# KiCad board Lime_RFE.kicad_pcb (continued)
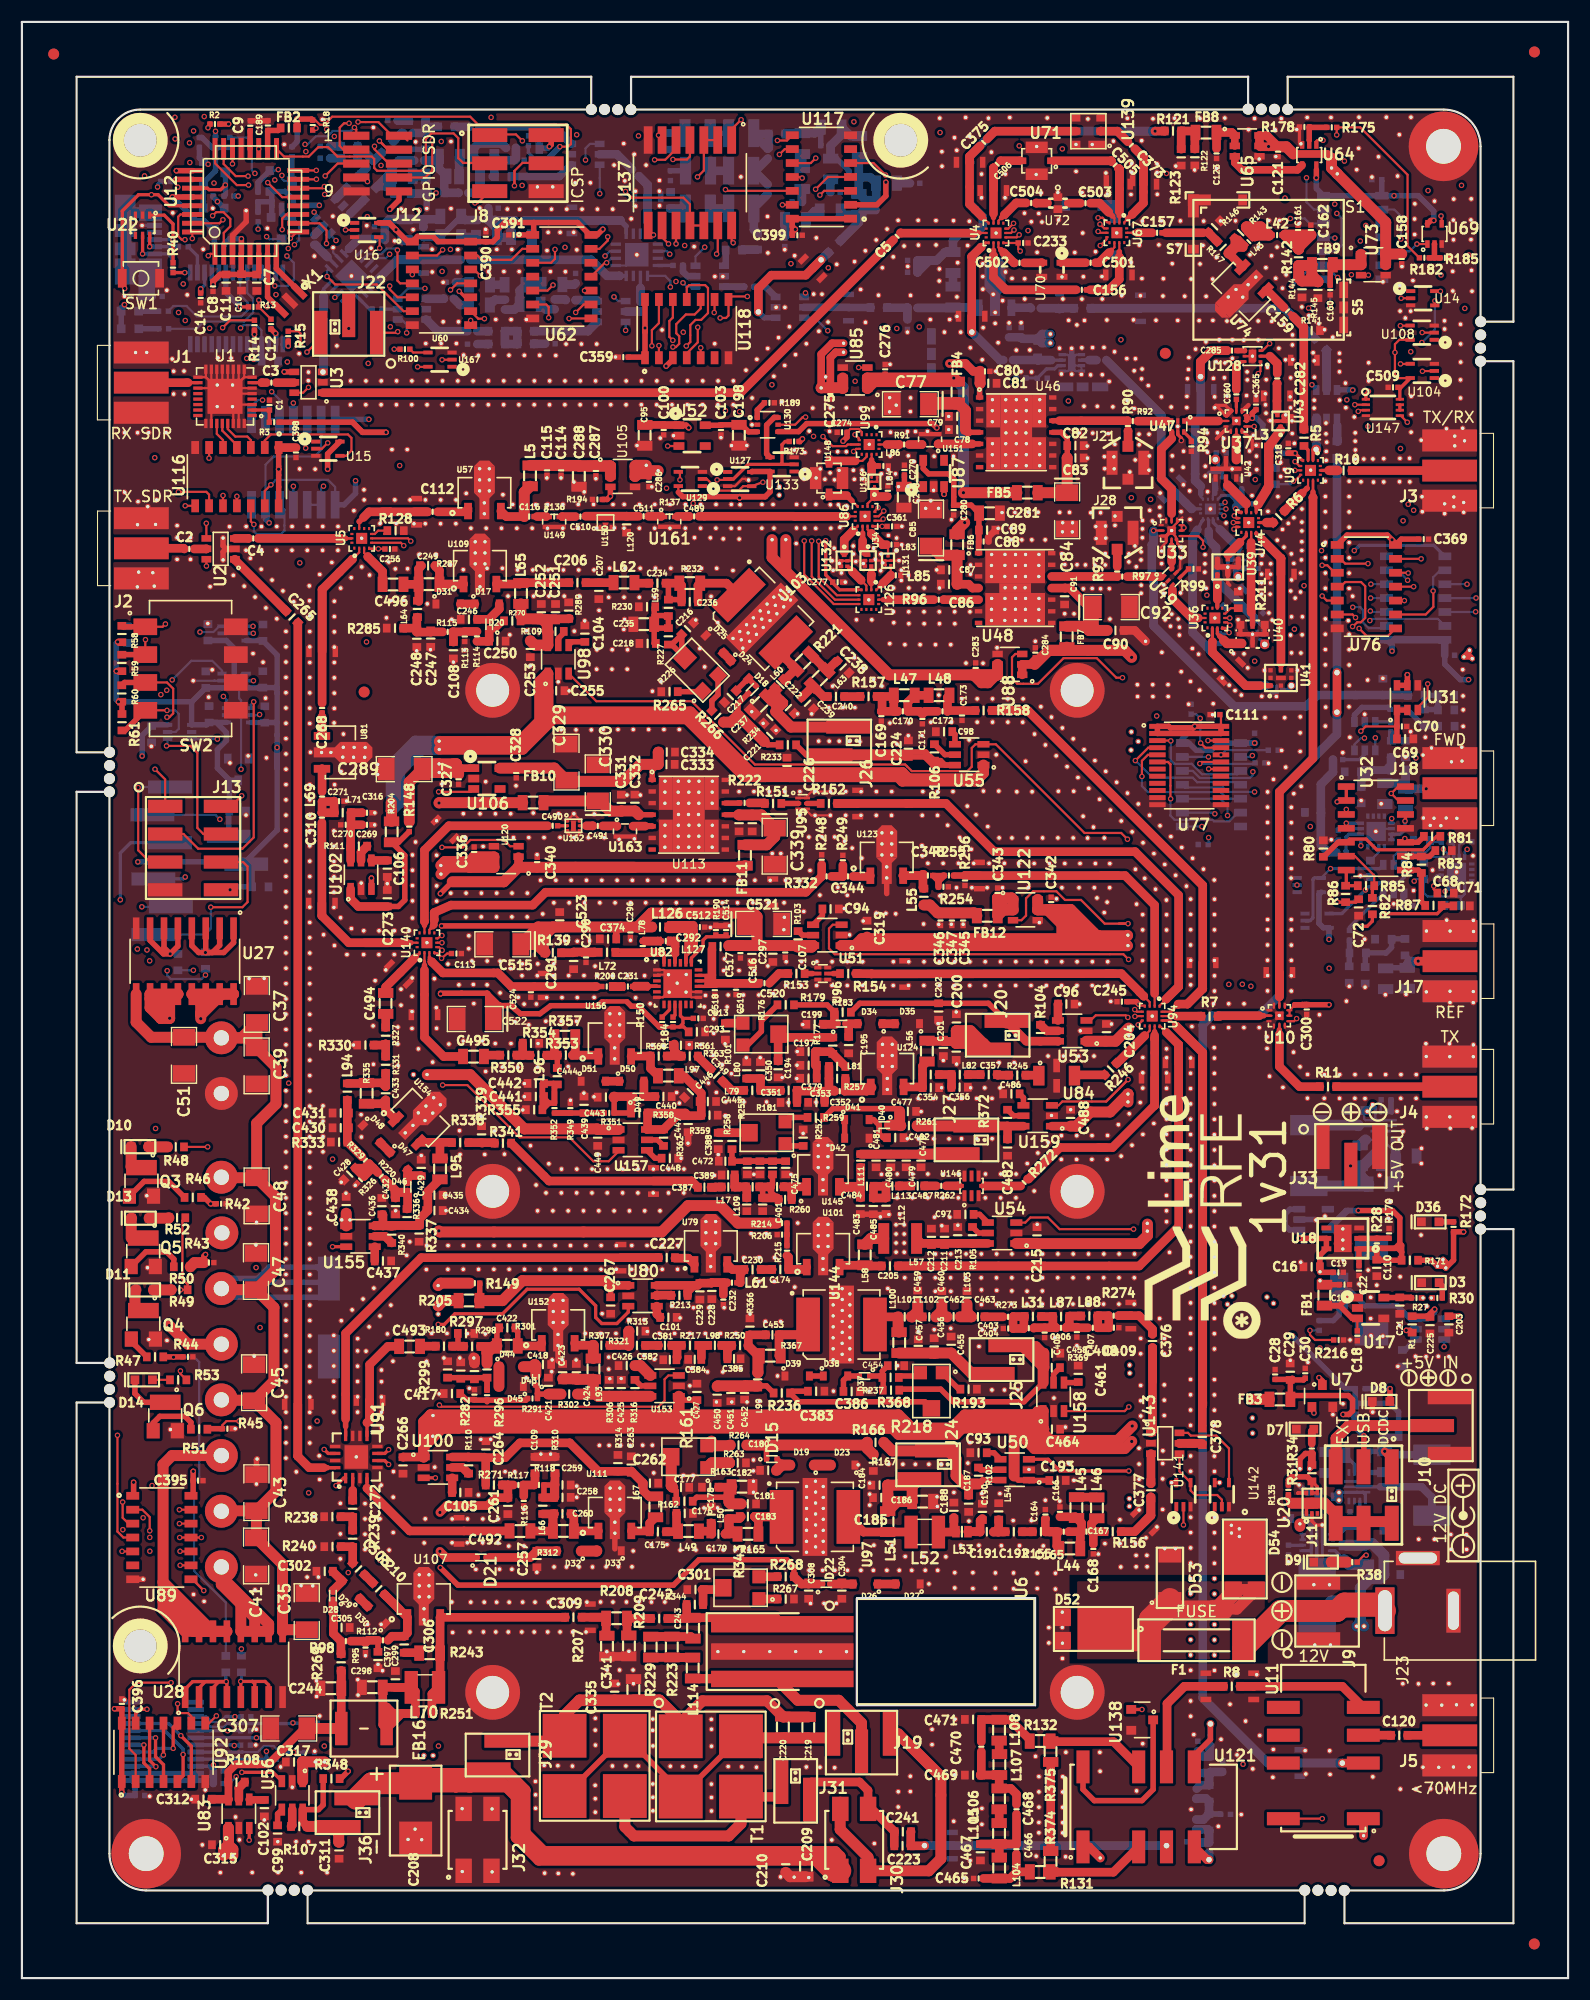
[diagram p0: board, top side]
## Footprints (pads in the part's own frame, mm; a bottom-side part is the same pattern mirrored in y, then rotated) (continued)
RFM04U6P_SOT89
  rect 0.8x1.6 smd: 1(-1.5,-1.74) 3(1.5,-1.74)
  trapezoid 1.41x0.495 smd: 2(0,2.546) 2(0,-0.375)
  rect 1.905x2.426 smd: 2(0,1.086)
  rect 0.914x5.334 smd: 2(0,0.127)
SC-88-6_NUP2202W1T2G
  rect 0.3x0.66 smd: 1(-0.65,-0.92) 2(0,-0.92) 3(0.65,-0.92) 4(0.65,0.92) 5(0,0.92) 6(-0.65,0.92)
SKY13370-374LF_6QFN
  rect 0.35x0.25 smd: 1(-0.725,0.5) 2(-0.725,0) 3(-0.725,-0.5) 4(0.725,-0.5) 5(0.725,0) 6(0.725,0.5)
  rect 0.212x0.212 smd rot 135: 5(-0.2,0.45)
  rect 0.2x0.05 smd: 5(0,0.625) 5(0,-0.625)
  rect 0.7x0.45 smd: 5(0,0.225)
  rect 0.7x0.6 smd: 5(0,-0.3)
  rect 0.55x0.15 smd: 5(0.075,0.525)
SKYA21003_12QFN
  rect 0.44x0.2 smd: 1(-0.96,0.5) 2(-0.96,0) 3(-0.96,-0.5) 7(0.96,-0.5) 8(0.96,0) 9(0.96,0.5)
  trapezoid 0.04x0.15 smd: 1(-0.72,0.5) 2(-0.72,0) 3(-0.72,-0.5) 7(0.72,-0.5) 8(0.72,0) 9(0.72,0.5)
  rect 0.7x0.7 smd: 1(0,0)
  rect 0.76x0.76 smd: 1(0,0)
  trapezoid 0.15x0.04 smd: 4(-0.5,-0.72) 5(0,-0.72) 6(0.5,-0.72) 10(0.5,0.72) 11(0,0.72) 12(-0.5,0.72)
  rect 0.2x0.44 smd: 4(-0.5,-0.96) 5(0,-0.96) 6(0.5,-0.96) 10(0.5,0.96) 11(0,0.96) 12(-0.5,0.96)
SMA_v2
  rect 5x2 smd: 1(0,0) 2(0,-2.75) 3(0,2.75)
  rect 5x2 smd far side: 4(0,-2.75) 5(0,2.75)
SMD0402
  rect 0.495x0.495 smd: 1(-0.45,0) 2(0.45,0)
SMD0603
  rect 0.7x0.8 smd: 1(-0.75,0) 2(0.75,0)
SMD0603_gap05
  rect 0.699x0.798 smd: 1(-0.6,0) 2(0.6,0)
SMD0604
  rect 0.699x1.05 smd: 1(-0.546,0) 2(0.546,0)
SMD0805
  rect 0.899x1.4 smd: 1(-0.953,0) 2(0.953,0)
SMD1008
  rect 1.22x2.99 smd: 1(-1.245,0) 2(1.245,0)
SMD1008_inductor
  rect 1.02x2.54 smd: 1(-1.145,0) 2(1.145,0)
SMD1206
  rect 1.524x2.032 smd: 1(-1.651,0) 2(1.651,0)
SMD1206_TANTAL
  rect 1.524x2.032 smd: 1(-1.651,0) 2(1.651,0)
SMD1210
  rect 1x2.8 smd: 1(-1.5,0) 2(1.5,0)
SMD_1812FS-104JLC
  rect 3.05x1.14 smd: 1(0,-2.07) 2(0,2.07)
SMD_AFT09MS007NT1
  rect 4.91x2.16 smd: 1(0,-3.05) 2(0,3.05)
  rect 7.11x2.26 smd: 3(0,0)
SMD_TC33X
  rect 1.2x1.2 smd: 1(-1,-1.8) 3(1,-1.8)
  rect 1.6x1.5 smd: 2(0,1.45)
SN74LV1T04
  rect 0.85x0.35 smd: 1(-1.1,0.65) 2(-1.1,0) 3(-1.1,-0.65) 4(1.1,-0.65) 5(1.1,0.65)
SN74LV1T34
  rect 0.85x0.35 smd: 1(-1.1,0.65) 2(-1.1,0) 3(-1.1,-0.65) 4(1.1,-0.65) 5(1.1,0.65)
SN74LVC2G02DCUR_VSSOP-8
  rect 0.75x0.25 smd: 1(-1.55,0.75) 2(-1.55,0.25) 3(-1.55,-0.25) 4(-1.55,-0.75) 5(1.55,-0.75) 6(1.55,-0.25) 7(1.55,0.25) 8(1.55,0.75)
SN74LVCH8T245PWR
  rect 1.5x0.45 smd: 1(-2.9,3.575) 2(-2.9,2.925) 3(-2.9,2.275) 4(-2.9,1.625) 5(-2.9,0.975) 6(-2.9,0.325) 7(-2.9,-0.325) 8(-2.9,-0.975) 9(-2.9,-1.625) 10(-2.9,-2.275) 11(-2.9,-2.925) 12(-2.9,-3.575) 13(2.9,-3.575) 14(2.9,-2.925) 15(2.9,-2.275) 16(2.9,-1.625) 17(2.9,-0.975) 18(2.9,-0.325) 19(2.9,0.325) 20(2.9,0.975) 21(2.9,1.625) 22(2.9,2.275) 23(2.9,2.925) 24(2.9,3.575)
SOT23_NCP163ASN250T1G
  rect 1.1x0.6 smd: 1(-1.3,0.95) 2(-1.3,0) 3(-1.3,-0.95) 4(1.3,-0.95) 5(1.3,0.95)
SOT23_TPS22810DBVR
  rect 1.1x0.6 smd: 1(-1.3,0.95) 2(-1.3,0) 3(-1.3,-0.95) 4(1.3,-0.95) 5(1.3,0) 6(1.3,0.95)
SOT89
  rect 0.711x1.499 smd: 1(-1.499,-1.791) 3(1.499,-1.791)
  trapezoid 1.41x0.495 smd: 2(0,-0.375) 2(0,2.546)
  rect 0.914x5.334 smd: 2(0,0.127)
  rect 1.905x2.426 smd: 4(0,1.086)
SOT89_ADL5611ARKZ-R7
  rect 0.711x1.499 smd: 1(-1.499,0.749) 3(1.499,0.749)
  trapezoid 1.41x0.495 smd: 2(0,5.086) 2(0,2.165)
  rect 0.914x5.334 smd: 2(0,2.667)
  rect 1.905x2.426 smd: 4(0,3.626)
SOT89_MAAM-009286
  rect 0.711x1.499 smd: 1(-1.499,-1.791) 3(1.499,-1.791)
  trapezoid 1.41x0.495 smd: 2(0,2.546) 2(0,-0.375)
  rect 0.914x5.334 smd: 2(0,0.127)
  rect 1.905x2.426 smd: 4(0,1.086)
SOT89_QPA6489A
  rect 0.711x1.499 smd: 1(-1.499,0.749) 3(1.499,0.749)
  trapezoid 1.41x0.495 smd: 2(0,5.086) 2(0,2.165)
  rect 1.905x2.426 smd: 2(0,3.626)
  rect 0.914x5.334 smd: 2(0,2.667)
SOT89_RFGA2054
  rect 0.711x1.499 smd: 1(-1.499,-1.791) 3(1.499,-1.791)
  trapezoid 1.41x0.495 smd: 2(0,2.546) 2(0,-0.375)
  rect 1.905x2.426 smd: 2(0,1.086)
  rect 0.914x5.334 smd: 2(0,0.127)
SPM6530T-2R2M
  rect 1.85x3.4 smd: 1(-2.775,0) 2(2.775,0)
TAJE107M025SNJV
  rect 3x3 smd: 1(-2.5,0) 2(2.5,0)
TC74HC04AF
  rect 2.5x0.8 smd: 1(-3.9,3.81) 2(-3.9,2.54) 3(-3.9,1.27) 4(-3.9,0) 5(-3.9,-1.27) 6(-3.9,-2.54) 7(-3.9,-3.81) 8(3.9,-3.81) 9(3.9,-2.54) 10(3.9,-1.27) 11(3.9,0) 12(3.9,1.27) 13(3.9,2.54) 14(3.9,3.81)
TPS62136RGXT
  rect 2.4x0.25 smd: 1(0,0.5) 2(0,0) 3(0,-0.5)
  rect 0.25x0.6 smd: 4(-0.75,-1.3) 5(-0.25,-1.3) 6(0.25,-1.3) 7(0.75,-1.3) 8(0.75,1.3) 9(0.25,1.3) 10(-0.25,1.3) 11(-0.75,1.3)
TQM963014
  rect 0.73x0.73 smd: 1(0.86,-1.11) 3(0.86,1.11) 5(-0.86,1.11) 7(-0.86,-1.11)
  rect 0.73x0.4 smd: 2(0.86,0) 6(-0.86,0)
  rect 0.4x0.73 smd: 4(0,1.11) 8(0,-1.11)
  rect 0.4x0.9 smd: 8(0,0)
TQP3M9037
  rect 0.3x0.67 smd: 1(-0.75,-0.885) 2(-0.25,-0.885) 3(0.25,-0.885) 4(0.75,-0.885) 5(0.75,0.885) 6(0.25,0.885) 7(-0.25,0.885) 8(-0.75,0.885)
  rect 1.6x0.7 smd: 9(0,0)
TQQ6107
  rect 0.675x0.4 smd: 1(-0.838,0.95) 2(-0.838,0) 3(-0.838,-0.95) 5(0.838,-0.95) 6(0.838,0) 7(0.838,0.95)
  rect 0.4x0.675 smd: 4(0,-1.087) 8(0,1.087)
  rect 0.4x0.9 smd: 8(0,0)
TRANS_VIA
  round 0.7 hole 0.5: 1(0,0)
TSM-102-04-T-SV
  rect 1.2x4 smd: 1(-1.27,0.8) 2(1.27,-0.8)
TSM-103-04-F-DV
  rect 3.2x1.27 smd: 1(-2.575,2.575) 2(2.575,2.575) 3(-2.575,0) 4(2.575,0) 5(-2.575,-2.54) 6(2.575,-2.54)
TSM-103-04-L-SV
  rect 1.2x4 smd: 1(2.54,-0.8) 2(0,0.8) 3(-2.54,-0.8)
TSM-104-04-T-DV
  rect 3.15x1.2 smd: 1(-2.55,3.81) 2(-2.55,1.28) 3(-2.55,-1.28) 4(-2.55,-3.81) 5(2.55,-3.81) 6(2.55,-1.28) 7(2.55,1.28) 8(2.55,3.81)
TSOP-6
  rect 0.6x0.95 smd: 1(-0.95,-1.125) 2(0,-1.125) 3(0.95,-1.125) 4(0.95,1.125) 5(0,1.125) 6(-0.95,1.125)
ULN2003D1013TR
  rect 0.6x2 smd: 1(-4.445,-3) 2(-3.175,-3) 3(-1.905,-3) 4(-0.635,-3) 5(0.635,-3) 6(1.905,-3) 7(3.175,-3) 8(4.445,-3) 9(4.445,3) 10(3.175,3) 11(1.905,3) 12(0.635,3) 13(-0.635,3) 14(-1.905,3) 15(-3.175,3) 16(-4.445,3)
UMC_SMD
  rect 1x1 smd: 1(0,-1.5) 3(0,1.5)
  rect 1x2.2 smd: 2(1.45,0) 4(-1.45,0)
USB-MINI-B
  rect 0.45x1.38 smd: 1(-1.3,2.66) 2(-0.65,2.66) 3(0,2.66) 4(0.65,2.66) 5(1.3,2.66)
  rect 2.375x1.9 smd: 6(-2.91,0) 6(2.91,0)
  rect 1.475x2.1 smd: 6(-2.462,2.3) 6(2.462,2.3)
  rect 1.175x1.9 smd: 6(-0.84,0) 6(0.84,0)
VMN2
  rect 0.55x0.45 smd: 1(0,0.475) 2(0,-0.475)

## Nets
+2.5V: C111.2 C163.2 C359.2 C362.2 C369.2 C390.2 C391.2 C392.2 C394.2 C395.2 C396.2 C398.2 C399.2 C509.2 GND_VIA#30.1 GND_VIA#31.1 GND_VIA#32.1 GND_VIA#1629.1 GND_VIA#1630.1 GND_VIA#1631.1 R171.1 R172.1 U14.5 U15.5 U16.5 U60.1 U60.14 U62.1 U62.14 U64.5 U68.1 U68.14 U69.5 U75.1 U75.14 U76.1 U76.14 U77.1 U77.2 U77.23 U77.24 U78.1 U78.2 U78.23 U78.24 U89.1 U89.14 U92.1 U92.14 U104.5 U108.5 U116.1 U116.14 U117.1 U117.14 U118.1 U118.14 U119.1 U119.14 U147.8
+3V: C113.1 C233.1 C245.1 C256.1 C274.1 C277.1 C300.1 C318.1 C361.1 C363.1 C364.1 C365.1 C368.1 GND_VIA#38.1 GND_VIA#39.1 GND_VIA#40.1 GND_VIA#1356.1 GND_VIA#1357.1 GND_VIA#1358.1 GND_VIA#1390.1 GND_VIA#1391.1 R23.1 R27.1 R30.2 R173.1 R191.1 U4.4 U5.4 U9.4 U10.8 U10.9 U33.8 U33.9 U35.4 U36.4 U37.8 U37.9 U44.4 U67.4 U86.4 U94.4 U99.4 U114.5 U115.14 U125.5 U126.4 U127.5 U129.5 U130.5 U133.5 U137.14 U140.4
+5V: C15.1 C16.1 C19.1 C74.1 C75.1 C95.1 C100.1 C121.1 C158.1 C203.2 C275.1 C278.1 C279.1 C283.1 C286.1 C289.1 C319.2 C327.1 C336.1 C342.1 FB1.1 GND_VIA#35.1 GND_VIA#36.1 GND_VIA#44.1 GND_VIA#45.1 GND_VIA#105.1 GND_VIA#106.1 GND_VIA#534.1 GND_VIA#535.1 GND_VIA#641.1 GND_VIA#642.1 GND_VIA#643.1 GND_VIA#644.1 GND_VIA#1039.1 GND_VIA#1040.1 GND_VIA#1048.1 GND_VIA#1049.1 GND_VIA#1232.1 GND_VIA#1254.1 GND_VIA#1255.1 GND_VIA#1256.1 GND_VIA#1257.1 GND_VIA#1345.1 GND_VIA#1346.1 GND_VIA#1347.1 GND_VIA#1348.1 GND_VIA#1349.1 GND_VIA#1350.1 GND_VIA#1355.1 GND_VIA#1394.1 GND_VIA#1395.1 GND_VIA#1396.1 GND_VIA#1397.1 GND_VIA#2053.1 L4.1 R3.1 R31.1 R34.2 R148.1 R149.1 R214.2 U11.1 U18.5 U18.6 U31.5 U31.6 U51.1 U52.1 U65.5 U65.6 U73.5 U73.6 U85.5 U85.6 U87.1 U88.5 U88.6 U105.5 U105.6 U106.1 U110.1 U112.1 U112.3 U120.5 U120.6 U121.1 U122.5 U122.6 U141.5 U142.5
+5V_DCDC: C23.2 D4.2 J11.1 L1.1 R25.2 R29.2 U19.6
+5V_ICSP: D6.2 J8.2 R138.2
+5V_MCU: C7.1 C8.1 C10.1 C11.1 C13.1 D1.1 D2.1 D4.1 D5.1 D6.1 FB2.2 R2.2 R13.1 R18.2 R19.2 R20.2 R35.2 R138.1 R186.2 U12.4 U12.6 U13.4 U13.20 U167.5
+5V_USB: C28.1 C29.1 C30.1 D5.2 FB3.2 J11.3
+7.5V: C193.2 C226.2 C255.2 C266.2 C427.2 C464.2 C488.2 GND_VIA#17.1 GND_VIA#37.1 GND_VIA#522.1 GND_VIA#523.1 GND_VIA#524.1 GND_VIA#530.1 GND_VIA#531.1 GND_VIA#532.1 GND_VIA#533.1 GND_VIA#1228.1 GND_VIA#1229.1 GND_VIA#1230.1 GND_VIA#1231.1 GND_VIA#1343.1 GND_VIA#1344.1 GND_VIA#1353.1 GND_VIA#1354.1 R37.1 R38.2 R204.2 R205.2 U50.1 U55.1 U98.1 U100.1 U153.1 U158.1 U159.1
+12V: C20.2 C25.2 C204.2 C215.2 C315.2 C317.2 C438.2 C449.2 C507.2 D54.1 GND_VIA#99.1 GND_VIA#100.1 GND_VIA#101.1 GND_VIA#525.1 GND_VIA#526.1 GND_VIA#527.1 GND_VIA#528.1 GND_VIA#529.1 GND_VIA#1335.1 GND_VIA#1336.1 GND_VIA#1337.1 GND_VIA#1338.1 GND_VIA#1339.1 GND_VIA#1340.1 GND_VIA#1341.1 GND_VIA#1351.1 GND_VIA#1352.1 GND_VIA#1375.1 GND_VIA#1376.1 GND_VIA#1428.1 GND_VIA#1429.1 GND_VIA#1979.1 GND_VIA#1980.1 GND_VIA#1981.1 GND_VIA#1982.1 U19.1 U19.8 U21.1 U21.8 U53.1 U54.1 U56.1 U83.1 U90.1 U90.8 U155.1 U157.1
/Cell/PA_1_2_3/VCC: C284.1 FB6.2 FB7.2 U88.1 U88.2
/Cell/PA_7_38/VCC: C276.1 FB4.2 FB5.2 U85.1 U85.2
/SWR_Meter_Subsystem/5V_SWR: C69.1 C70.1 IC1.1 IC1.4 IC2.1 IC2.4 R78.2 U31.1 U31.2 U32.4
/TX_H2/PA2400/VCC: C340.1 FB10.2 FB11.2 U120.1 U120.2
/USB/VBUS: C27.1 CON1.1 FB3.1 U22.5
